# Altium PCB Shuttler_AMC.PcbDoc (part 8 of 12)
Units mm, origin at the board's own origin, x right, y up, seen from the top; angles counter-clockwise.
Board outline 180.71 x 148.55 mm, 12 copper layers (Layer 1, Layer 2, Layer 3, Layer 4, Layer 5, Layer 6, Layer 7, Layer 8, Layer 9, Layer 10, Layer 11, Layer 12), stack 2.14 mm thick; 1184 components, 1698 nets, 9088 pads, 920 vias.
Unrouted connection lines stored in the file: 1441.
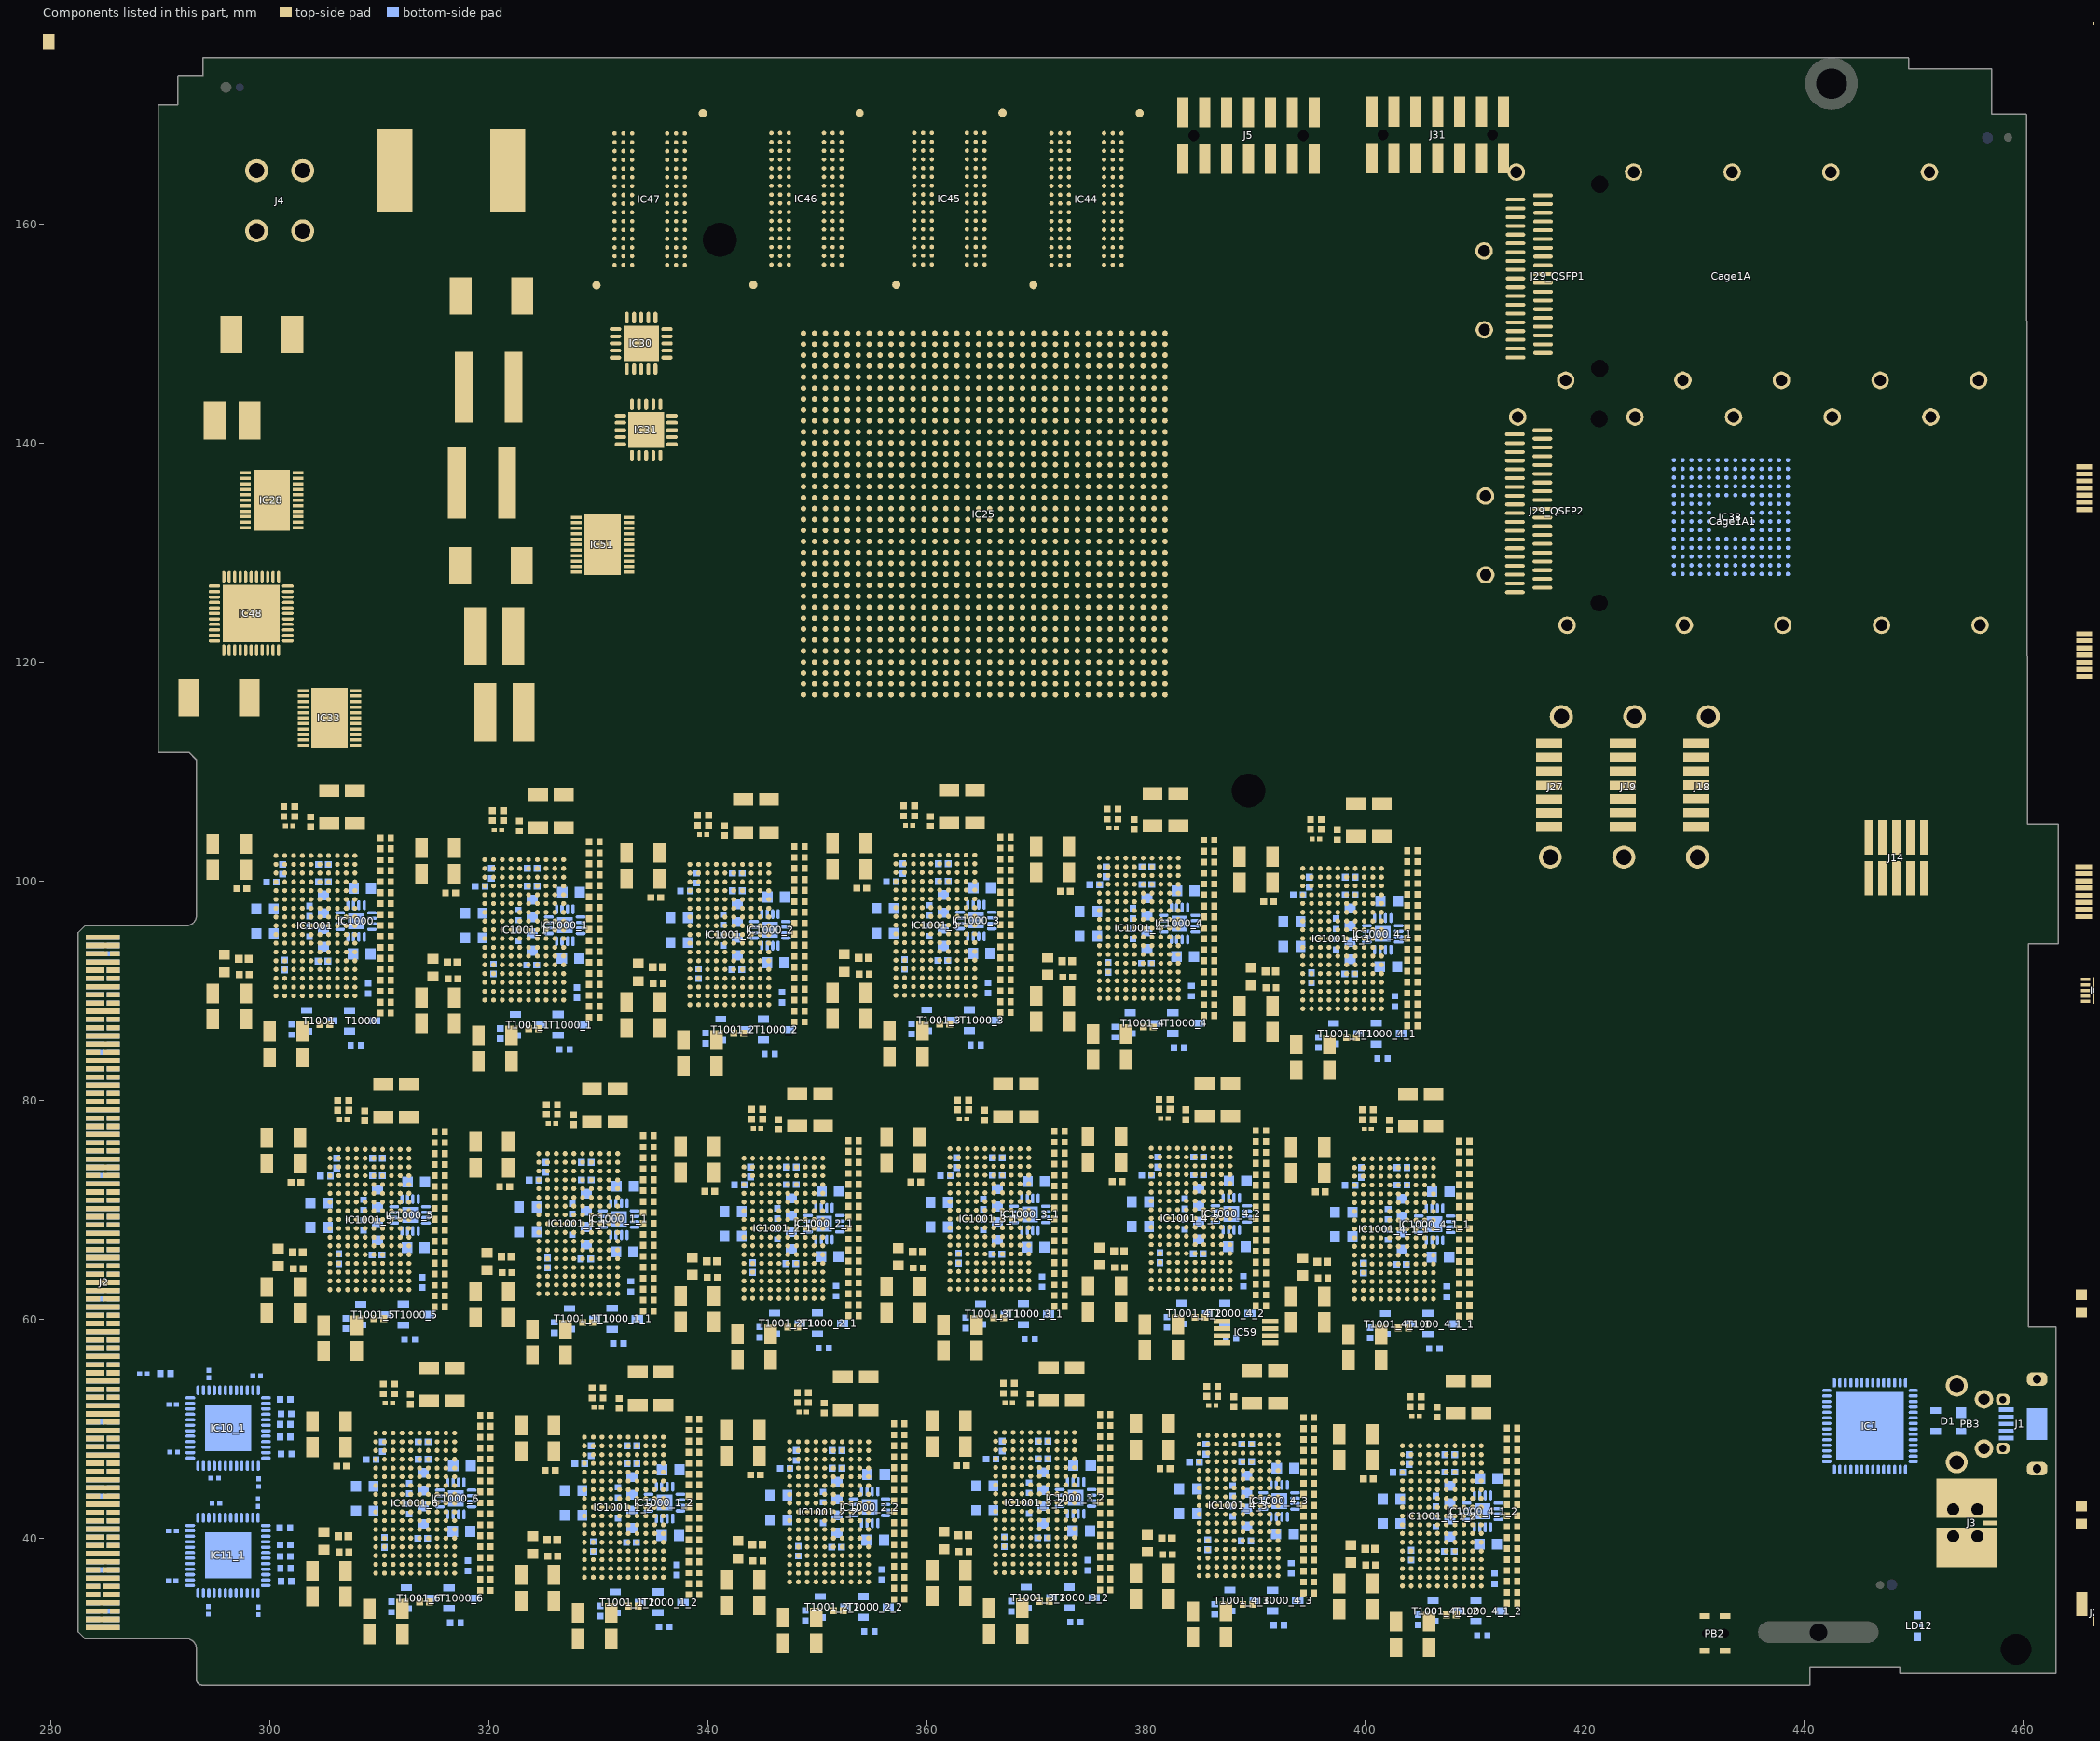
[diagram p14: the components of this part, seen from the top]

## Via types
v1: diameter 0.356, hole 0.155, Layer 1 to Layer 12, 431 vias
v2: diameter 0.3, hole 0.1, Layer 1 to Layer 12, 429 vias
v3: diameter 0.6, hole 0.3, Layer 1 to Layer 12, 38 vias
v4: diameter 0.406, hole 0.203, Layer 1 to Layer 12, 22 vias

## Nets (pads, with @x,y where several pads share a name; then routed paths per layer and width w, separated by ;. In a path a pad name is that pad's centre, name@x,y a point inside that pad or via, vN(x,y) a via of type N, cw(c..) or ccw(c..) an arc to the next point about the centre after c; other vN are vias at no path point) (continued)
pads on no net: C27.2 C28.1 C28.2 C29.2 C30.2 C31.2 C32.2 C33.2 C34.2 C35.2 C36.2 C37.2 C38.2 C231.1 C1000.1 C1000.2 C1000_1.1 C1000_1.2 C1000_1_1.1 C1000_1_1.2 C1000_1_2.1 C1000_1_2.2 C1000_2.1 C1000_2.2 C1000_2_1.1 C1000_2_1.2 C1000_2_2.1 C1000_2_2.2 C1000_3.1 C1000_3.2 C1000_3_1.1 C1000_3_1.2 C1000_3_2.1 C1000_3_2.2 C1000_4.1 C1000_4.2 C1000_4_1.1 C1000_4_1.2 C1000_4_1_1.1 C1000_4_1_1.2 C1000_4_1_2.1 C1000_4_1_2.2 C1000_4_2.1 C1000_4_2.2 C1000_4_3.1 C1000_4_3.2 C1000_5.1 C1000_5.2 C1000_6.1 C1000_6.2 C1001.1 C1001.2 C1001_1.1 C1001_1.2 C1001_1_1.1 C1001_1_1.2 C1001_1_2.1 C1001_1_2.2 C1001_2.1 C1001_2.2 C1001_2_1.1 C1001_2_1.2 C1001_2_2.1 C1001_2_2.2 C1001_3.1 C1001_3.2 C1001_3_1.1 C1001_3_1.2 C1001_3_2.1 C1001_3_2.2 C1001_4.1 C1001_4.2 C1001_4_1.1 C1001_4_1.2 C1001_4_1_1.1 C1001_4_1_1.2 C1001_4_1_2.1 C1001_4_1_2.2 C1001_4_2.1 C1001_4_2.2 C1001_4_3.1 C1001_4_3.2 C1001_5.1 C1001_5.2 C1001_6.1 C1001_6.2 C1002.1 C1002.2 C1002_1.1 C1002_1.2 C1002_1_1.1 C1002_1_1.2 C1002_1_2.1 C1002_1_2.2 C1002_2.1 C1002_2.2 C1002_2_1.1 C1002_2_1.2 C1002_2_2.1 C1002_2_2.2 C1002_3.1 C1002_3.2 C1002_3_1.1 C1002_3_1.2 C1002_3_2.1 C1002_3_2.2 C1002_4.1 C1002_4.2 C1002_4_1.1 C1002_4_1.2 C1002_4_1_1.1 C1002_4_1_1.2 C1002_4_1_2.1 C1002_4_1_2.2 C1002_4_2.1 C1002_4_2.2 C1002_4_3.1 C1002_4_3.2 C1002_5.1 C1002_5.2 C1002_6.1 C1002_6.2 C1004.1 C1004.2 C1004_1.1 C1004_1.2 C1004_1_1.1 C1004_1_1.2 C1004_1_2.1 C1004_1_2.2 C1004_2.1 C1004_2.2 C1004_2_1.1 C1004_2_1.2 C1004_2_2.1 C1004_2_2.2 C1004_3.1 C1004_3.2 C1004_3_1.1 C1004_3_1.2 C1004_3_2.1 C1004_3_2.2 C1004_4.1 C1004_4.2 C1004_4_1.1 C1004_4_1.2 C1004_4_1_1.1 C1004_4_1_1.2 C1004_4_1_2.1 C1004_4_1_2.2 C1004_4_2.1 C1004_4_2.2 C1004_4_3.1 C1004_4_3.2 C1004_5.1 C1004_5.2 C1004_6.1 C1004_6.2 C1005.1 C1005.2 C1005_1.1 C1005_1.2 C1005_1_1.1 C1005_1_1.2 C1005_1_2.1 C1005_1_2.2 C1005_2.1 C1005_2.2 C1005_2_1.1 C1005_2_1.2 C1005_2_2.1 C1005_2_2.2 C1005_3.1 C1005_3.2 C1005_3_1.1 C1005_3_1.2 C1005_3_2.1 C1005_3_2.2 C1005_4.1 C1005_4.2 C1005_4_1.1 C1005_4_1.2 C1005_4_1_1.1 C1005_4_1_1.2 C1005_4_1_2.1 C1005_4_1_2.2 C1005_4_2.1 C1005_4_2.2 C1005_4_3.1 C1005_4_3.2 C1005_5.1 C1005_5.2 C1005_6.1 C1005_6.2 C1006.1 C1006.2 C1006_1.1 C1006_1.2 C1006_1_1.1 C1006_1_1.2 C1006_1_2.1 C1006_1_2.2 C1006_2.1 C1006_2.2 C1006_2_1.1 C1006_2_1.2 C1006_2_2.1 C1006_2_2.2 C1006_3.1 C1006_3.2 C1006_3_1.1 C1006_3_1.2 C1006_3_2.1 C1006_3_2.2 C1006_4.1 C1006_4.2 C1006_4_1.1 C1006_4_1.2 C1006_4_1_1.1 C1006_4_1_1.2 C1006_4_1_2.1 C1006_4_1_2.2 C1006_4_2.1 C1006_4_2.2 C1006_4_3.1 C1006_4_3.2 C1006_5.1 C1006_5.2 C1006_6.1 C1006_6.2 C1007.1 C1007.2 C1007_1.1 C1007_1.2 C1007_1_1.1 C1007_1_1.2 C1007_1_2.1 C1007_1_2.2 C1007_2.1 C1007_2.2 C1007_2_1.1 C1007_2_1.2 C1007_2_2.1 C1007_2_2.2 C1007_3.1 C1007_3.2 C1007_3_1.1 C1007_3_1.2 C1007_3_2.1 C1007_3_2.2 C1007_4.1 C1007_4.2 C1007_4_1.1 C1007_4_1.2 C1007_4_1_1.1 C1007_4_1_1.2 C1007_4_1_2.1 C1007_4_1_2.2 C1007_4_2.1 C1007_4_2.2 C1007_4_3.1 C1007_4_3.2 C1007_5.1 C1007_5.2 C1007_6.1 C1007_6.2 C1008.1 C1008.2 C1008_1.1 C1008_1.2 C1008_1_1.1 C1008_1_1.2 C1008_1_2.1 C1008_1_2.2 C1008_2.1 C1008_2.2 C1008_2_1.1 C1008_2_1.2 C1008_2_2.1 C1008_2_2.2 C1008_3.1 C1008_3.2 C1008_3_1.1 C1008_3_1.2 C1008_3_2.1 C1008_3_2.2 C1008_4.1 C1008_4.2 C1008_4_1.1 C1008_4_1.2 C1008_4_1_1.1 C1008_4_1_1.2 C1008_4_1_2.1 C1008_4_1_2.2 C1008_4_2.1 C1008_4_2.2 C1008_4_3.1 C1008_4_3.2 C1008_5.1 C1008_5.2 C1008_6.1 C1008_6.2 C1009.1 C1009.2 C1009_1.1 C1009_1.2 C1009_1_1.1 C1009_1_1.2 C1009_1_2.1 C1009_1_2.2 C1009_2.1 C1009_2.2 C1009_2_1.1 C1009_2_1.2 C1009_2_2.1 C1009_2_2.2 C1009_3.1 C1009_3.2 C1009_3_1.1 C1009_3_1.2 C1009_3_2.1 C1009_3_2.2 C1009_4.1 C1009_4.2 C1009_4_1.1 C1009_4_1.2 C1009_4_1_1.1 C1009_4_1_1.2 C1009_4_1_2.1 C1009_4_1_2.2 C1009_4_2.1 C1009_4_2.2 C1009_4_3.1 C1009_4_3.2 C1009_5.1 C1009_5.2 C1009_6.1 C1009_6.2 C1011.1 C1011.2 C1011_1.1 C1011_1.2 C1011_1_1.1 C1011_1_1.2 C1011_1_2.1 C1011_1_2.2 C1011_2.1 C1011_2.2 C1011_2_1.1 C1011_2_1.2 C1011_2_2.1 C1011_2_2.2 C1011_3.1 C1011_3.2 C1011_3_1.1 C1011_3_1.2 C1011_3_2.1 C1011_3_2.2 C1011_4.1 C1011_4.2 C1011_4_1.1 C1011_4_1.2 C1011_4_1_1.1 C1011_4_1_1.2 C1011_4_1_2.1 C1011_4_1_2.2 C1011_4_2.1 C1011_4_2.2 C1011_4_3.1 C1011_4_3.2 C1011_5.1 C1011_5.2 C1011_6.1 C1011_6.2 C1012.1 C1012.2 C1012_1.1 C1012_1.2 C1012_1_1.1 C1012_1_1.2 C1012_1_2.1 C1012_1_2.2 C1012_2.1 C1012_2.2 C1012_2_1.1 C1012_2_1.2 C1012_2_2.1 C1012_2_2.2 C1012_3.1 C1012_3.2 C1012_3_1.1 C1012_3_1.2 C1012_3_2.1 C1012_3_2.2 C1012_4.1 C1012_4.2 C1012_4_1.1 C1012_4_1.2 C1012_4_1_1.1 C1012_4_1_1.2 C1012_4_1_2.1 C1012_4_1_2.2 C1012_4_2.1 C1012_4_2.2 C1012_4_3.1 C1012_4_3.2 C1012_5.1 C1012_5.2 C1012_6.1 C1012_6.2 C1013.1 C1013.2 C1013_1.1 C1013_1.2 C1013_1_1.1 C1013_1_1.2 C1013_1_2.1 C1013_1_2.2 C1013_2.1 C1013_2.2 C1013_2_1.1 C1013_2_1.2 C1013_2_2.1 C1013_2_2.2 C1013_3.1 C1013_3.2 C1013_3_1.1 C1013_3_1.2 C1013_3_2.1 C1013_3_2.2 C1013_4.1 C1013_4.2 C1013_4_1.1 C1013_4_1.2 C1013_4_1_1.1 C1013_4_1_1.2 C1013_4_1_2.1 C1013_4_1_2.2 C1013_4_2.1 C1013_4_2.2 C1013_4_3.1 C1013_4_3.2 C1013_5.1 C1013_5.2 C1013_6.1 C1013_6.2 C1014.1 C1014.2 C1014_1.1 C1014_1.2 C1014_1_1.1 C1014_1_1.2 C1014_1_2.1 C1014_1_2.2 C1014_2.1 C1014_2.2 C1014_2_1.1 C1014_2_1.2 C1014_2_2.1 C1014_2_2.2 C1014_3.1 C1014_3.2 C1014_3_1.1 C1014_3_1.2 C1014_3_2.1 C1014_3_2.2 C1014_4.1 C1014_4.2 C1014_4_1.1 C1014_4_1.2 C1014_4_1_1.1 C1014_4_1_1.2 C1014_4_1_2.1 C1014_4_1_2.2 C1014_4_2.1 C1014_4_2.2 C1014_4_3.1 C1014_4_3.2 C1014_5.1 C1014_5.2 C1014_6.1 C1014_6.2 C1015.1 C1015.2 C1015_1.1 C1015_1.2 C1015_1_1.1 C1015_1_1.2 C1015_1_2.1 C1015_1_2.2 C1015_2.1 C1015_2.2 C1015_2_1.1 C1015_2_1.2 C1015_2_2.1 C1015_2_2.2 C1015_3.1 C1015_3.2 C1015_3_1.1 C1015_3_1.2 C1015_3_2.1 C1015_3_2.2 C1015_4.1 C1015_4.2 C1015_4_1.1 C1015_4_1.2 C1015_4_1_1.1 C1015_4_1_1.2 C1015_4_1_2.1 C1015_4_1_2.2 C1015_4_2.1 C1015_4_2.2 C1015_4_3.1 C1015_4_3.2 C1015_5.1 C1015_5.2 C1015_6.1 C1015_6.2 C1016.1 C1016.2 C1016_1.1 C1016_1.2 C1016_1_1.1 C1016_1_1.2 C1016_1_2.1 C1016_1_2.2 C1016_2.1 C1016_2.2 C1016_2_1.1 C1016_2_1.2 C1016_2_2.1 C1016_2_2.2 C1016_3.1 C1016_3.2 C1016_3_1.1 C1016_3_1.2 C1016_3_2.1 C1016_3_2.2 C1016_4.1 C1016_4.2 C1016_4_1.1 C1016_4_1.2 C1016_4_1_1.1 C1016_4_1_1.2 C1016_4_1_2.1 C1016_4_1_2.2 C1016_4_2.1 C1016_4_2.2 C1016_4_3.1 C1016_4_3.2 C1016_5.1 C1016_5.2 C1016_6.1 C1016_6.2 C1017.1 C1017.2 C1017_1.1 C1017_1.2 C1017_1_1.1 C1017_1_1.2 C1017_1_2.1 C1017_1_2.2 C1017_2.1 C1017_2.2 C1017_2_1.1 C1017_2_1.2 C1017_2_2.1 C1017_2_2.2 C1017_3.1 C1017_3.2 C1017_3_1.1 C1017_3_1.2 C1017_3_2.1 C1017_3_2.2 C1017_4.1 C1017_4.2 C1017_4_1.1 C1017_4_1.2 C1017_4_1_1.1 C1017_4_1_1.2 C1017_4_1_2.1 C1017_4_1_2.2 C1017_4_2.1 C1017_4_2.2 C1017_4_3.1 C1017_4_3.2 C1017_5.1 C1017_5.2 C1017_6.1 C1017_6.2 C1018.1 C1018.2 C1018_1.1 C1018_1.2 C1018_1_1.1 C1018_1_1.2 C1018_1_2.1 C1018_1_2.2 C1018_2.1 C1018_2.2 C1018_2_1.1 C1018_2_1.2 C1018_2_2.1 C1018_2_2.2 C1018_3.1 C1018_3.2 C1018_3_1.1 C1018_3_1.2 C1018_3_2.1 C1018_3_2.2 C1018_4.1 C1018_4.2 C1018_4_1.1 C1018_4_1.2 C1018_4_1_1.1 C1018_4_1_1.2 C1018_4_1_2.1 C1018_4_1_2.2 C1018_4_2.1 C1018_4_2.2 C1018_4_3.1 C1018_4_3.2 C1018_5.1 C1018_5.2 C1018_6.1 C1018_6.2 C1019.1 C1019.2 C1019_1.1 C1019_1.2 C1019_1_1.1 C1019_1_1.2 C1019_1_2.1 C1019_1_2.2 C1019_2.1 C1019_2.2 C1019_2_1.1 C1019_2_1.2 C1019_2_2.1 C1019_2_2.2 C1019_3.1 C1019_3.2 C1019_3_1.1 C1019_3_1.2 C1019_3_2.1 C1019_3_2.2 C1019_4.1 C1019_4.2 C1019_4_1.1 C1019_4_1.2 C1019_4_1_1.1 C1019_4_1_1.2 C1019_4_1_2.1 C1019_4_1_2.2 C1019_4_2.1 C1019_4_2.2 C1019_4_3.1 C1019_4_3.2 C1019_5.1 C1019_5.2 C1019_6.1 C1019_6.2 C1020.1 C1020.2 C1020_1.1 C1020_1.2 C1020_1_1.1 C1020_1_1.2 C1020_1_2.1 C1020_1_2.2 C1020_2.1 C1020_2.2 C1020_2_1.1 C1020_2_1.2 C1020_2_2.1 C1020_2_2.2 C1020_3.1 C1020_3.2 C1020_3_1.1 C1020_3_1.2 C1020_3_2.1 C1020_3_2.2 C1020_4.1 C1020_4.2 C1020_4_1.1 C1020_4_1.2 C1020_4_1_1.1 C1020_4_1_1.2 C1020_4_1_2.1 C1020_4_1_2.2 C1020_4_2.1 C1020_4_2.2 C1020_4_3.1 C1020_4_3.2 C1020_5.1 C1020_5.2 C1020_6.1 C1020_6.2 C1021.1 C1021.2 C1021_1.1 C1021_1.2 C1021_1_1.1 C1021_1_1.2 C1021_1_2.1 C1021_1_2.2 C1021_2.1 C1021_2.2 C1021_2_1.1 C1021_2_1.2 C1021_2_2.1 C1021_2_2.2 C1021_3.1 C1021_3.2 C1021_3_1.1 C1021_3_1.2 C1021_3_2.1 C1021_3_2.2 C1021_4.1 C1021_4.2 C1021_4_1.1 C1021_4_1.2 C1021_4_1_1.1 C1021_4_1_1.2 C1021_4_1_2.1 C1021_4_1_2.2 C1021_4_2.1 C1021_4_2.2 C1021_4_3.1 C1021_4_3.2 C1021_5.1 C1021_5.2 C1021_6.1 C1021_6.2 C1022.1 C1022.2 C1022_1.1 C1022_1.2 C1022_1_1.1 C1022_1_1.2 C1022_1_2.1 C1022_1_2.2 C1022_2.1 C1022_2.2 C1022_2_1.1 C1022_2_1.2 C1022_2_2.1 C1022_2_2.2 C1022_3.1 C1022_3.2 C1022_3_1.1 C1022_3_1.2 C1022_3_2.1 C1022_3_2.2 C1022_4.1 C1022_4.2 C1022_4_1.1 C1022_4_1.2 C1022_4_1_1.1 C1022_4_1_1.2 C1022_4_1_2.1 C1022_4_1_2.2 C1022_4_2.1 C1022_4_2.2 C1022_4_3.1 C1022_4_3.2 C1022_5.1 C1022_5.2 C1022_6.1 C1022_6.2 Cage1A1.6 Cage1A1.7 Cage1A1.8 Cage1A1.9 Cage1A1.10 Cage1A1.11 Cage1A1.12 Cage1A1.13 Cage1A1.14 Cage1A1.15 Cage1A1.16 Cage1A1.17 Cage1A.6 Cage1A.7 Cage1A.8 Cage1A.9 Cage1A.10 Cage1A.11 Cage1A.12 Cage1A.13 Cage1A.14 Cage1A.15 Cage1A.16 Cage1A.17 HS1.1 IC1.17 IC1.18 IC1.19 IC1.24 IC1.25 IC1.26 IC1.27 IC1.28 IC1.29 IC1.30 IC1.32 IC1.33 IC1.34 IC1.35 IC1.37 IC1.38 IC1.39 IC1.40 IC1.48 IC1.51 IC1.52 IC1.53 IC1.54 IC2.7 IC4.4 IC5.4 IC7.4 IC10_1.1 IC10_1.3 IC10_1.4 IC10_1.5 IC10_1.6 IC10_1.7 IC10_1.8 IC10_1.12 IC10_1.13 IC10_1.14 IC10_1.15 IC10_1.16 IC10_1.17 IC10_1.18 IC10_1.19 IC10_1.20 IC10_1.21 IC10_1.22 IC10_1.23 IC10_1.25 IC10_1.26 IC10_1.27 IC10_1.28 IC10_1.29 IC10_1.30 IC10_1.31 IC10_1.32 IC10_1.33 IC10_1.34 IC10_1.35 IC10_1.36 IC10_1.38 IC10_1.39 IC10_1.40 IC10_1.41 IC10_1.42 IC10_1.43 IC10_1.44 IC10_1.47 IC10_1.48 IC10_1.49 IC11_1.1 IC11_1.3 IC11_1.4 IC11_1.5 IC11_1.6 IC11_1.7 IC11_1.8 IC11_1.9 IC11_1.10 IC11_1.12 IC11_1.13 IC11_1.14 IC11_1.17 IC11_1.18 IC11_1.19 IC11_1.20 IC11_1.21 IC11_1.22 IC11_1.23 IC11_1.25 IC11_1.26 IC11_1.27 IC11_1.28 IC11_1.29 IC11_1.30 IC11_1.31 IC11_1.32 IC11_1.33 IC11_1.34 IC11_1.35 IC11_1.36 IC11_1.38 IC11_1.39 IC11_1.40 IC11_1.41 IC11_1.42 IC11_1.43 IC11_1.44 IC11_1.48 IC11_1.49 IC12.5 IC12.6 IC12.9 IC12.11 IC12.12 IC12.13 IC12.14 IC12.17 IC12.18 IC12.19 IC12.20 IC12.21 IC12.22 IC13.4 IC14.9 IC14.10 IC14.11 IC14.12 IC14.13 IC14.14 IC17.9 IC17.11 IC17.12 IC17.13 IC17.14 IC17.17 IC17.18 IC17.19 IC17.20 IC17.21 IC17.22 IC17.23 IC17.24 IC17.27 IC17.28 IC19.2 IC19.5 IC19.6 IC19.8 IC19.9 IC19.11 IC19.12 IC19.13 IC19.14 IC19.18 IC19.19 IC19.20 IC19.21 IC19.22 IC19.24 IC19.26 IC19.34 IC19.37 IC19.38 IC20.1 IC20.11 IC20.13 IC20.19 IC20.20 IC20.21 IC20.23 IC20.28 IC20.33 IC21.4 IC22.1 IC22.11 IC22.13 IC22.19 IC22.20 IC22.21 IC22.23 IC22.24 IC22.25 IC22.26 IC22.27 IC22.28 IC22.33 IC23.3 IC23.4 IC23.5 IC23.6 IC23.11 IC23.12 IC23.13 IC23.14 IC24.3 IC24.4 IC24.5 IC24.6 IC24.11 IC24.12 IC24.13 IC24.14 IC25.A33 IC25.A34 IC25.AC34 IC25.AD14 IC25.AE21 IC25.AE26 IC25.AF25 IC25.AG15 IC25.AH13 IC25.AH16 IC25.AH17 IC25.AH18 IC25.AH29 IC25.AJ16 IC25.AJ26 IC25.AK30 IC25.AK33 IC25.AL33 IC25.AM31 IC25.AP26 IC25.B21 IC25.B31 IC25.B32 IC25.C33 IC25.C34 IC25.D31 IC25.D32 IC25.E33 IC25.E34 IC25.F31 IC25.F32 IC25.G15 IC25.G29 IC25.G30 IC25.G33 IC25.G34 IC25.H5 IC25.H6 IC25.H31 IC25.H32 IC25.J29 IC25.J30 IC25.J33 IC25.J34 IC25.K11 IC25.K21 IC25.K31 IC25.K32 IC25.L29 IC25.L30 IC25.L33 IC25.L34 IC25.M31 IC25.M32 IC25.N29 IC25.N30 IC25.N33 IC25.N34 IC25.P5 IC25.P6 IC25.P31 IC25.P32 IC25.R29 IC25.R30 IC25.R33 IC25.R34 IC25.T5 IC25.T6 IC25.T31 IC25.T32 IC25.U21 IC25.V5 IC25.V6 IC25.Y5 IC25.Y6 IC26.2 IC26.4 IC26.9 IC26.11 IC26.14 IC26.15 IC26.18 IC26.27 IC26.28 IC26.29 IC26.30 IC26.33 IC28.5 IC29.4 IC30.2 IC30.3 IC30.4 IC30.13 IC30.14 IC30.17 IC31.2 IC31.3 IC31.4 IC31.13 IC31.14 IC31.17 IC33.5 IC38.A1 IC38.A4 IC38.A5 IC38.A6 IC38.A7 IC38.A8 IC38.A9 IC38.A12 IC38.A14 IC38.B2 IC38.B3 IC38.B5 IC38.B6 IC38.B7 IC38.B9 IC38.B10 IC38.B13 IC38.C1 IC38.C6 IC38.C7 IC38.C8 IC38.C10 IC38.C13 IC38.C14 IC38.D1 IC38.D7 IC38.D8 IC38.D9 IC38.D10 IC38.D12 IC38.D14 IC38.E1 IC38.E4 IC38.E7 IC38.E8 IC38.E13 IC38.F1 IC38.F4 IC38.F12 IC38.F13 IC38.F14 IC38.G3 IC38.G4 IC38.G11 IC38.G12 IC38.G14 IC38.H1 IC38.H2 IC38.H5 IC38.H10 IC38.H11 IC38.J2 IC38.J3 IC38.K5 IC38.K9 IC38.K10 IC38.K12 IC38.K13 IC38.L6 IC38.L12 IC38.M7 IC38.M8 IC38.M14 IC38.N2 IC38.N8 IC38.N12 IC38.N13 IC38.P1 IC38.P2 IC38.P6 IC38.P13 IC38.P14 IC41.4 IC41.7 IC44. IC44.A1 IC44.A2 IC44.A3 IC44.A7 IC44.A8 IC44.A9 IC44.B1 IC44.B2 IC44.B3 IC44.B7 IC44.B8 IC44.B9 IC44.C1 IC44.C2 IC44.C3 IC44.C7 IC44.C8 IC44.C9 IC44.D1 IC44.D2 IC44.D3 IC44.D7 IC44.D8 IC44.D9 IC44.E1 IC44.E2 IC44.E3 IC44.E7 IC44.E8 IC44.E9 IC44.F1 IC44.F2 IC44.F3 IC44.F7 IC44.F8 IC44.F9 IC44.G1 IC44.G2 IC44.G3 IC44.G7 IC44.G8 IC44.G9 IC44.H1 IC44.H2 IC44.H3 IC44.H7 IC44.H8 IC44.H9 IC44.J1 IC44.J2 IC44.J3 IC44.J7 IC44.J8 IC44.J9 IC44.K1 IC44.K2 IC44.K3 IC44.K7 IC44.K8 IC44.K9 IC44.L1 IC44.L2 IC44.L3 IC44.L7 IC44.L8 IC44.L9 IC44.M1 IC44.M2 IC44.M3 IC44.M7 IC44.M8 IC44.M9 IC44.N1 IC44.N2 IC44.N3 IC44.N7 IC44.N8 IC44.N9 IC44.P1 IC44.P2 IC44.P3 IC44.P7 IC44.P8 IC44.P9 IC44.R1 IC44.R2 IC44.R3 IC44.R7 IC44.R8 IC44.R9 IC44.T1 IC44.T2 IC44.T3 IC44.T7 IC44.T8 IC44.T9 IC45. IC45.A1 IC45.A2 IC45.A3 IC45.A7 IC45.A8 IC45.A9 IC45.B1 IC45.B2 IC45.B3 IC45.B7 IC45.B8 IC45.B9 IC45.C1 IC45.C2 IC45.C3 IC45.C7 IC45.C8 IC45.C9 IC45.D1 IC45.D2 IC45.D3 IC45.D7 IC45.D8 IC45.D9 IC45.E1 IC45.E2 IC45.E3 IC45.E7 IC45.E8 IC45.E9 IC45.F1 IC45.F2 IC45.F3 IC45.F7 IC45.F8 IC45.F9 IC45.G1 IC45.G2 IC45.G3 IC45.G7 IC45.G8 IC45.G9 IC45.H1 IC45.H2 IC45.H3 IC45.H7 IC45.H8 IC45.H9 IC45.J1 IC45.J2 IC45.J3 IC45.J7 IC45.J8 IC45.J9 IC45.K1 IC45.K2 IC45.K3 IC45.K7 IC45.K8 IC45.K9 IC45.L1 IC45.L2 IC45.L3 IC45.L7 IC45.L8 IC45.L9 IC45.M1 IC45.M2 IC45.M3 IC45.M7 IC45.M8 IC45.M9 IC45.N1 IC45.N2 IC45.N3 IC45.N7 IC45.N8 IC45.N9 IC45.P1 IC45.P2 IC45.P3 IC45.P7 IC45.P8 IC45.P9 IC45.R1 IC45.R2 IC45.R3 IC45.R7 IC45.R8 IC45.R9 IC45.T1 IC45.T2 IC45.T3 IC45.T7 IC45.T8 IC45.T9 IC46. IC46.A1 IC46.A2 IC46.A3 IC46.A7 IC46.A8 IC46.A9 IC46.B1 IC46.B2 IC46.B3 IC46.B7 IC46.B8 IC46.B9 IC46.C1 IC46.C2 IC46.C3 IC46.C7 IC46.C8 IC46.C9 IC46.D1 IC46.D2 IC46.D3 IC46.D7 IC46.D8 IC46.D9 IC46.E1 IC46.E2 IC46.E3 IC46.E7 IC46.E8 IC46.E9 IC46.F1 IC46.F2 IC46.F3 IC46.F7 IC46.F8 IC46.F9 IC46.G1 IC46.G2 IC46.G3 IC46.G7 IC46.G8 IC46.G9 IC46.H1 IC46.H2 IC46.H3 IC46.H7 IC46.H8 IC46.H9 IC46.J1 IC46.J2 IC46.J3 IC46.J7 IC46.J8 IC46.J9 IC46.K1 IC46.K2 IC46.K3 IC46.K7 IC46.K8 IC46.K9 IC46.L1 IC46.L2 IC46.L3 IC46.L7 IC46.L8 IC46.L9 IC46.M1 IC46.M2 IC46.M3 IC46.M7 IC46.M8 IC46.M9 IC46.N1 IC46.N2 IC46.N3 IC46.N7 IC46.N8 IC46.N9 IC46.P1 IC46.P2 IC46.P3 IC46.P7 IC46.P8 IC46.P9 IC46.R1 IC46.R2 IC46.R3 IC46.R7 IC46.R8 IC46.R9 IC46.T1 IC46.T2 IC46.T3 IC46.T7 IC46.T8 IC46.T9 IC47. IC47.A1 IC47.A2 IC47.A3 IC47.A7 IC47.A8 IC47.A9 IC47.B1 IC47.B2 IC47.B3 IC47.B7 IC47.B8 IC47.B9 IC47.C1 IC47.C2 IC47.C3 IC47.C7 IC47.C8 IC47.C9 IC47.D1 IC47.D2 IC47.D3 IC47.D7 IC47.D8 IC47.D9 IC47.E1 IC47.E2 IC47.E3 IC47.E7 IC47.E8 IC47.E9 IC47.F1 IC47.F2 IC47.F3 IC47.F7 IC47.F8 IC47.F9 IC47.G1 IC47.G2 IC47.G3 IC47.G7 IC47.G8 IC47.G9 IC47.H1 IC47.H2 IC47.H3 IC47.H7 IC47.H8 IC47.H9 IC47.J1 IC47.J2 IC47.J3 IC47.J7 IC47.J8 IC47.J9 IC47.K1 IC47.K2 IC47.K3 IC47.K7 IC47.K8 IC47.K9 IC47.L1 IC47.L2 IC47.L3 IC47.L7 IC47.L8 IC47.L9 IC47.M1 IC47.M2 IC47.M3 IC47.M7 IC47.M8 IC47.M9 IC47.N1 IC47.N2 IC47.N3 IC47.N7 IC47.N8 IC47.N9 IC47.P1 IC47.P2 IC47.P3 IC47.P7 IC47.P8 IC47.P9 IC47.R1 IC47.R2 IC47.R3 IC47.R7 IC47.R8 IC47.R9 IC47.T1 IC47.T2 IC47.T3 IC47.T7 IC47.T8 IC47.T9 IC50.4 IC50.5 IC50.7 IC50.8 IC51.5 IC53.3 IC53.4 IC53.5 IC53.6 IC53.11 IC53.12 IC53.13 IC53.14 IC55_QSFP1.4 IC55_QSFP1.13 IC55_QSFP2.4 IC55_QSFP2.13 IC56.9 IC56.19 IC56.20 IC56.21 IC56.22 IC56.23 IC56.24 IC56.27 IC56.28 IC57.4 IC60.6 IC62_Amplifier14.9 IC65.9 IC66.9 IC67.9 IC68.9 IC69.9 IC70.13 IC71.13 IC72.4 IC73.4 IC76.9 IC76.29 IC76.31 IC76.32 IC1000.1 IC1000.2 IC1000.3 IC1000.4 IC1000.5 IC1000.6 IC1000.7 IC1000.8 IC1000.9 IC1000.10 IC1000.11 IC1000.12 IC1000.13 IC1000.14 IC1000.15 IC1000.16 IC1000.17 IC1000_1.1 IC1000_1.2 IC1000_1.3 IC1000_1.4 IC1000_1.5 IC1000_1.6 IC1000_1.7 IC1000_1.8 IC1000_1.9 IC1000_1.10 IC1000_1.11 IC1000_1.12 IC1000_1.13 IC1000_1.14 IC1000_1.15 IC1000_1.16 IC1000_1.17 IC1000_1_1.1 IC1000_1_1.2 IC1000_1_1.3 IC1000_1_1.4 IC1000_1_1.5 IC1000_1_1.6 IC1000_1_1.7 IC1000_1_1.8 IC1000_1_1.9 IC1000_1_1.10 IC1000_1_1.11 IC1000_1_1.12 IC1000_1_1.13 IC1000_1_1.14 IC1000_1_1.15 IC1000_1_1.16 IC1000_1_1.17 IC1000_1_2.1 IC1000_1_2.2 IC1000_1_2.3 IC1000_1_2.4 IC1000_1_2.5 IC1000_1_2.6 IC1000_1_2.7 IC1000_1_2.8 IC1000_1_2.9 IC1000_1_2.10 IC1000_1_2.11 IC1000_1_2.12 IC1000_1_2.13 IC1000_1_2.14 IC1000_1_2.15 IC1000_1_2.16 IC1000_1_2.17 IC1000_2.1 IC1000_2.2 IC1000_2.3 IC1000_2.4 IC1000_2.5 IC1000_2.6 IC1000_2.7 IC1000_2.8 IC1000_2.9 IC1000_2.10 IC1000_2.11 IC1000_2.12 IC1000_2.13 IC1000_2.14 IC1000_2.15 IC1000_2.16 IC1000_2.17 IC1000_2_1.1 IC1000_2_1.2 IC1000_2_1.3 IC1000_2_1.4 IC1000_2_1.5 IC1000_2_1.6 IC1000_2_1.7 IC1000_2_1.8 IC1000_2_1.9 IC1000_2_1.10 IC1000_2_1.11 IC1000_2_1.12 IC1000_2_1.13 IC1000_2_1.14 IC1000_2_1.15 IC1000_2_1.16 IC1000_2_1.17 IC1000_2_2.1 IC1000_2_2.2 IC1000_2_2.3 IC1000_2_2.4 IC1000_2_2.5 IC1000_2_2.6 IC1000_2_2.7 IC1000_2_2.8 IC1000_2_2.9 IC1000_2_2.10 IC1000_2_2.11 IC1000_2_2.12 IC1000_2_2.13 IC1000_2_2.14 IC1000_2_2.15 IC1000_2_2.16 IC1000_2_2.17 IC1000_3.1 IC1000_3.2 IC1000_3.3 IC1000_3.4 IC1000_3.5 IC1000_3.6 IC1000_3.7 IC1000_3.8 IC1000_3.9 IC1000_3.10 IC1000_3.11 IC1000_3.12 IC1000_3.13 IC1000_3.14 IC1000_3.15 IC1000_3.16 IC1000_3.17 IC1000_3_1.1 IC1000_3_1.2 IC1000_3_1.3 IC1000_3_1.4 IC1000_3_1.5 IC1000_3_1.6 IC1000_3_1.7 IC1000_3_1.8 IC1000_3_1.9 IC1000_3_1.10 IC1000_3_1.11 IC1000_3_1.12 IC1000_3_1.13 IC1000_3_1.14 IC1000_3_1.15 IC1000_3_1.16 IC1000_3_1.17 IC1000_3_2.1 IC1000_3_2.2 IC1000_3_2.3 IC1000_3_2.4 IC1000_3_2.5 IC1000_3_2.6 IC1000_3_2.7 IC1000_3_2.8 IC1000_3_2.9 IC1000_3_2.10 IC1000_3_2.11 IC1000_3_2.12 IC1000_3_2.13 IC1000_3_2.14 IC1000_3_2.15 IC1000_3_2.16 IC1000_3_2.17 IC1000_4.1 IC1000_4.2 IC1000_4.3 IC1000_4.4 IC1000_4.5 IC1000_4.6 IC1000_4.7 IC1000_4.8 IC1000_4.9 IC1000_4.10 IC1000_4.11 IC1000_4.12 IC1000_4.13 IC1000_4.14 IC1000_4.15 IC1000_4.16 IC1000_4.17 IC1000_4_1.1 IC1000_4_1.2 IC1000_4_1.3 IC1000_4_1.4 IC1000_4_1.5 IC1000_4_1.6 IC1000_4_1.7 IC1000_4_1.8 IC1000_4_1.9 IC1000_4_1.10 IC1000_4_1.11 IC1000_4_1.12 IC1000_4_1.13 IC1000_4_1.14 IC1000_4_1.15 IC1000_4_1.16 IC1000_4_1.17 IC1000_4_1_1.1 IC1000_4_1_1.2 IC1000_4_1_1.3 IC1000_4_1_1.4 IC1000_4_1_1.5 IC1000_4_1_1.6 IC1000_4_1_1.7 IC1000_4_1_1.8 IC1000_4_1_1.9 IC1000_4_1_1.10 IC1000_4_1_1.11 IC1000_4_1_1.12 IC1000_4_1_1.13 IC1000_4_1_1.14 IC1000_4_1_1.15 IC1000_4_1_1.16 IC1000_4_1_1.17 IC1000_4_1_2.1 IC1000_4_1_2.2 IC1000_4_1_2.3 IC1000_4_1_2.4 IC1000_4_1_2.5 IC1000_4_1_2.6 IC1000_4_1_2.7 IC1000_4_1_2.8 IC1000_4_1_2.9 IC1000_4_1_2.10 IC1000_4_1_2.11 IC1000_4_1_2.12 IC1000_4_1_2.13 IC1000_4_1_2.14 IC1000_4_1_2.15 IC1000_4_1_2.16 IC1000_4_1_2.17 IC1000_4_2.1 IC1000_4_2.2 IC1000_4_2.3 IC1000_4_2.4 IC1000_4_2.5 IC1000_4_2.6 IC1000_4_2.7 IC1000_4_2.8 IC1000_4_2.9 IC1000_4_2.10 IC1000_4_2.11 IC1000_4_2.12 IC1000_4_2.13 IC1000_4_2.14 IC1000_4_2.15 IC1000_4_2.16 IC1000_4_2.17 IC1000_4_3.1 IC1000_4_3.2 IC1000_4_3.3 IC1000_4_3.4 IC1000_4_3.5 IC1000_4_3.6 IC1000_4_3.7 IC1000_4_3.8 IC1000_4_3.9 IC1000_4_3.10 IC1000_4_3.11 IC1000_4_3.12 IC1000_4_3.13 IC1000_4_3.14 IC1000_4_3.15 IC1000_4_3.16 IC1000_4_3.17 IC1000_5.1 IC1000_5.2 IC1000_5.3 IC1000_5.4 IC1000_5.5 IC1000_5.6 IC1000_5.7 IC1000_5.8 IC1000_5.9 IC1000_5.10 IC1000_5.11 IC1000_5.12 IC1000_5.13 IC1000_5.14 IC1000_5.15 IC1000_5.16 IC1000_5.17 IC1000_6.1 IC1000_6.2 IC1000_6.3 IC1000_6.4 IC1000_6.5 IC1000_6.6 IC1000_6.7 IC1000_6.8 IC1000_6.9 IC1000_6.10 IC1000_6.11 IC1000_6.12 IC1000_6.13 IC1000_6.14 IC1000_6.15 IC1000_6.16 IC1000_6.17 IC1001.A1 IC1001.A2 IC1001.A3 IC1001.A4 IC1001.A5 IC1001.A6 IC1001.A7 IC1001.A8 IC1001.A9 IC1001.A10 IC1001.B1 IC1001.B2 IC1001.B3 IC1001.B4 IC1001.B5 IC1001.B6 IC1001.B7 IC1001.B8 IC1001.B9 IC1001.B10 IC1001.C1 IC1001.C2 IC1001.C3 IC1001.C4 IC1001.C5 IC1001.C6 IC1001.C7 IC1001.C8 IC1001.C9 IC1001.C10 IC1001.D1 IC1001.D2 IC1001.D3 IC1001.D4 IC1001.D5 IC1001.D6 IC1001.D7 IC1001.D8 IC1001.D9 IC1001.D10 IC1001.E1 IC1001.E2 IC1001.E3 IC1001.E4 IC1001.E5 IC1001.E6 IC1001.E7 IC1001.E8 IC1001.E9 IC1001.E10 IC1001.F1 